# KiCad board Sentinel 65X - Prototype 4.kicad_pcb (continued)
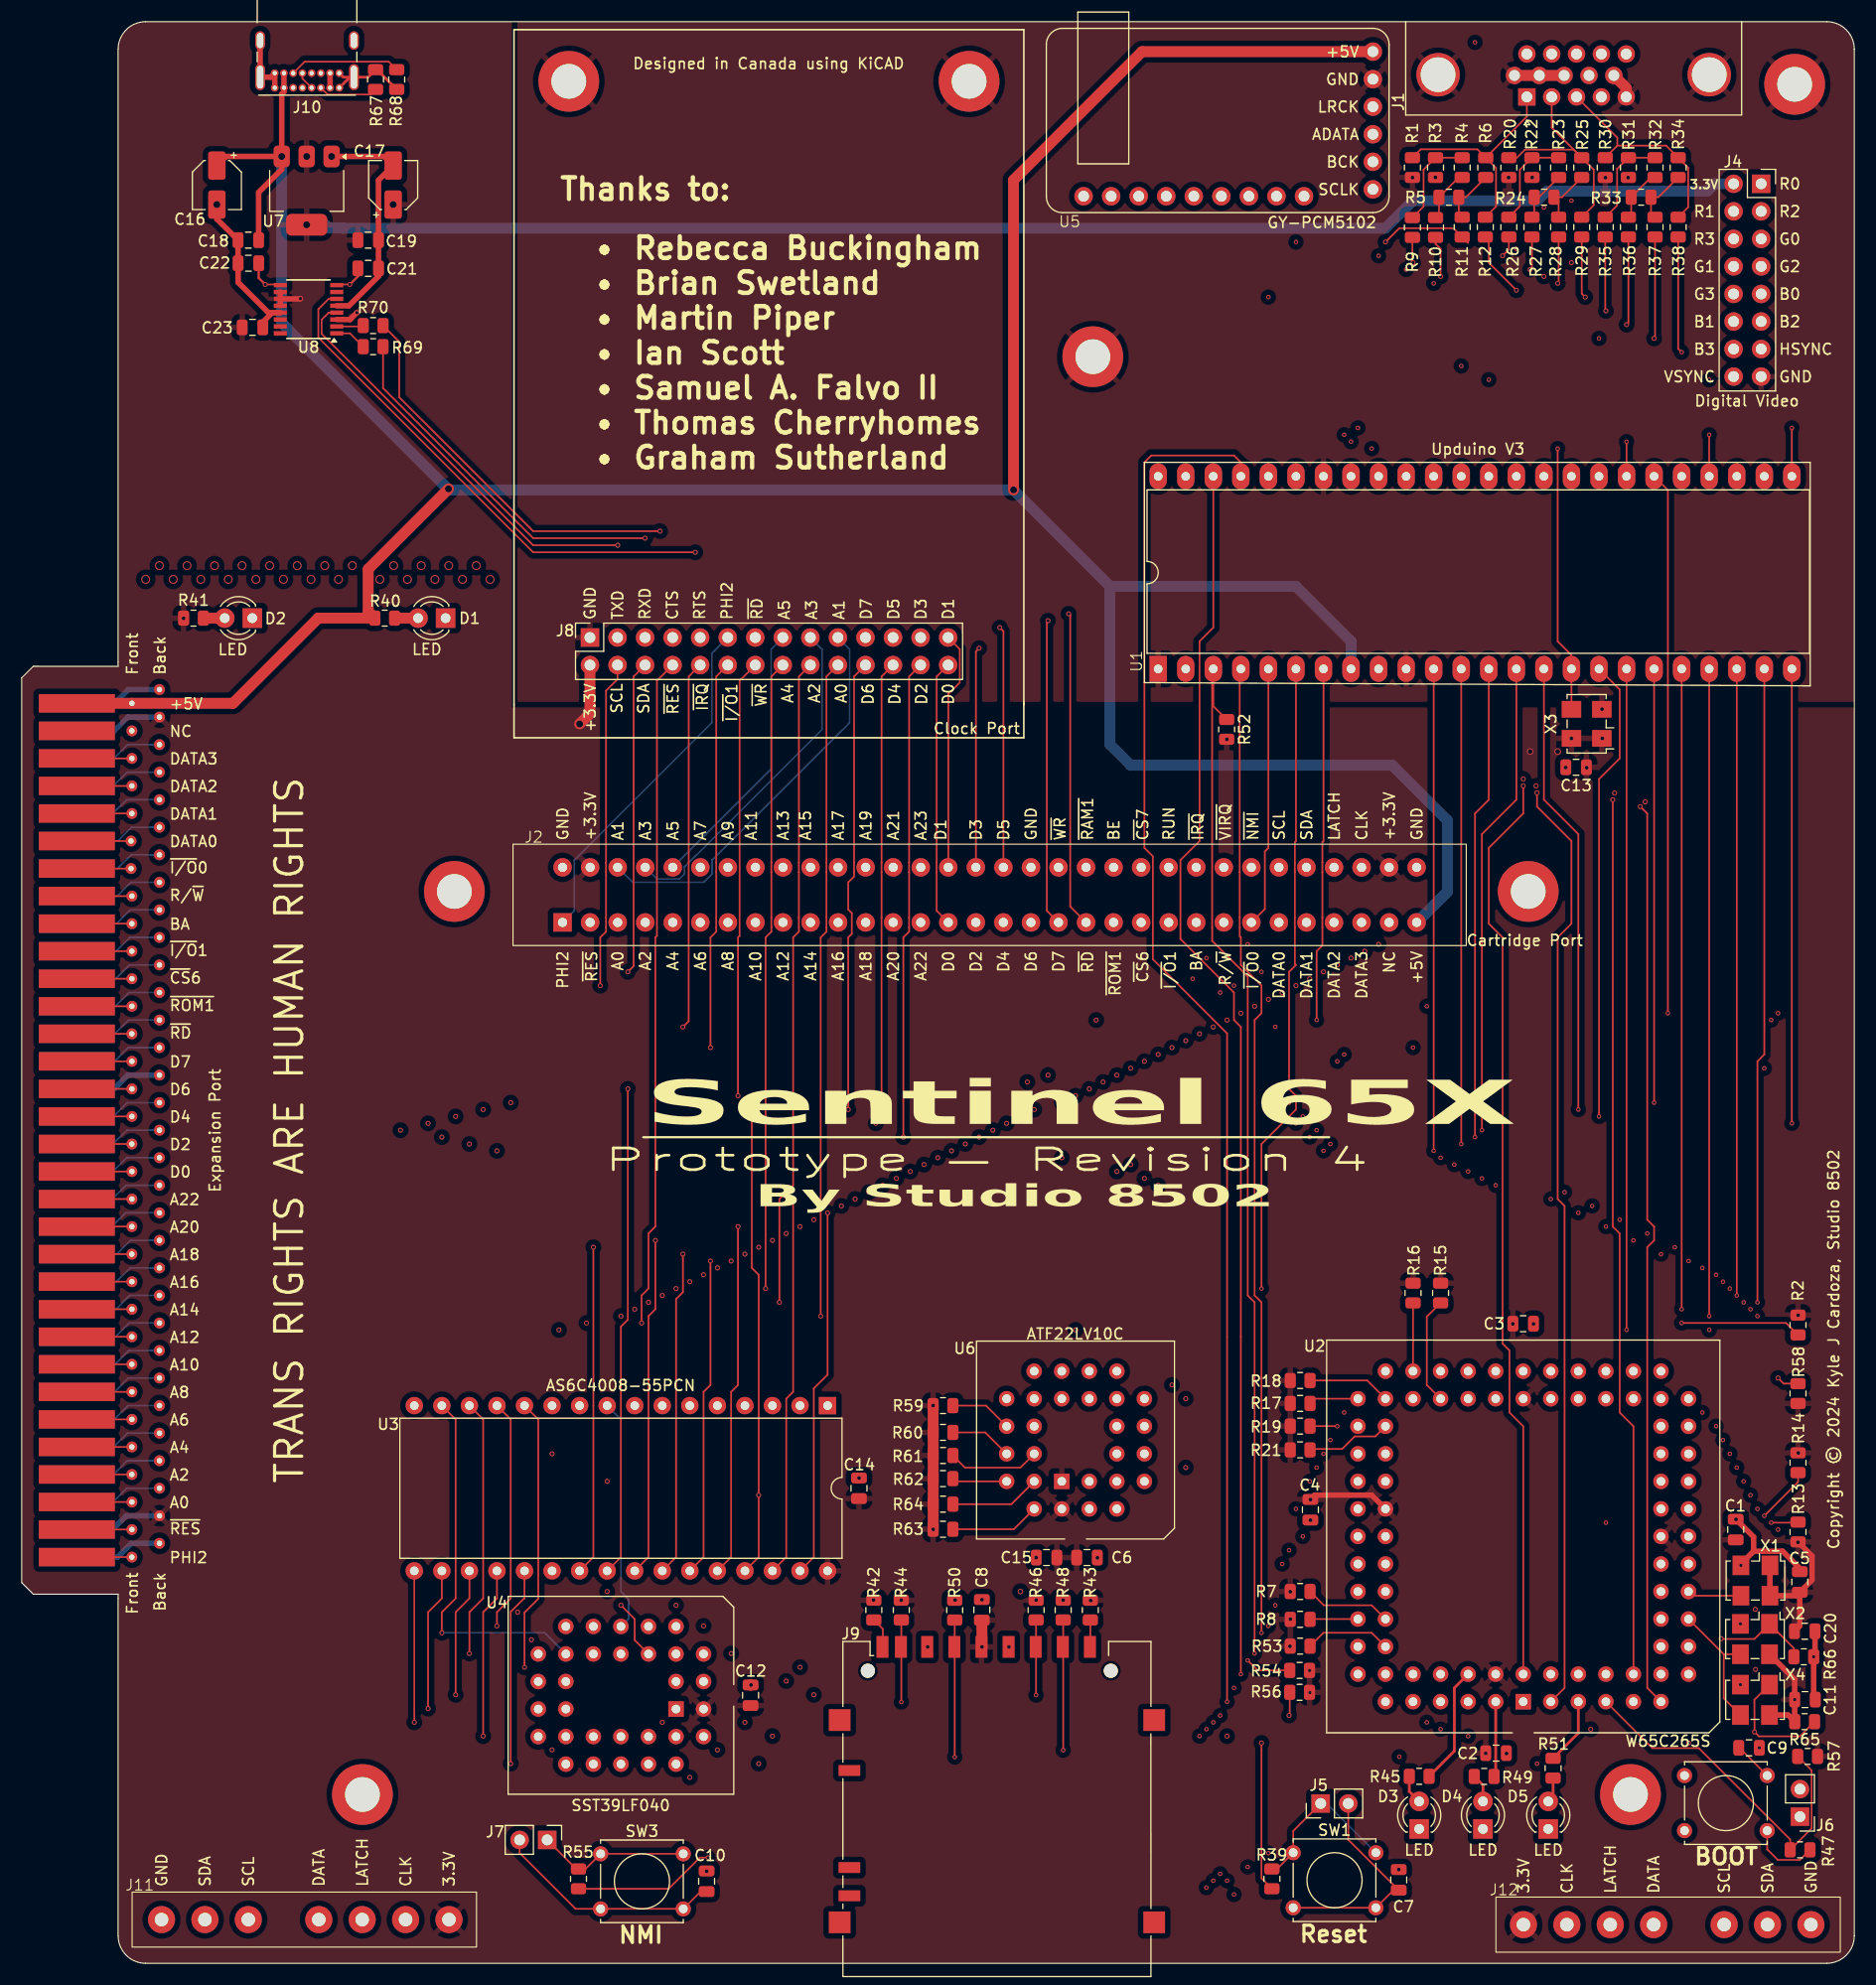
[diagram p0: board, top side]
## Routing (per net, layer and track width the routed paths; a pad name or vN(x,y) marks a point on that pad's centre or on a via; arc(x,y) is an arc through that point) (continued)
/G3: length 65.2
  F.Cu (SMD) w0.15: R29.2 143.82,153.99 v2(144.14,153.67)
  In2.Cu (N-S) w0.15: U1.44 v5(114.93,153.67)
  In3.Cu. (E-W) w0.15: v5(114.93,153.67) 156.21,153.67 156.5,153.96 J4.10
/GREEN: length 20.5
  F.Cu (SMD) w0.15: R25.1 144.93,165.42 144.93,162.14 R29.1 ; R25.1 143.09,167.27 138.59,167.27 137.85,166.53 R20.1 ; R25.1 141.05,169.3 J1.2
/HSYNC: length 78.7
  In2.Cu (N-S) w0.15: U1.37 v5(132.71,147.32) 132.71,171.45 133.99,172.72 v5(133.99,177.17)
  In3.Cu. (E-W) w0.15: J1.13 142.27,177.17 v5(133.99,177.17) ; J4.13 159.08,147.6 156.49,147.6 156.21,147.32 v5(132.71,147.32)
/I2C_SCL: length 404
  F.Cu (SMD) w0.15: v2(53.34,90.17) 53.34,94.62 53.87,95.15 53.87,95.55 53.87,95.55 53.87,96.44 53.87,96.45 53.87,100.63 53.87,100.63 53.87,101.52 53.87,101.53 53.87,117.37 54.93,118.43 J8.4 ; v2(116.84,22.86) 116.9,22.92 R56.1
  In2.Cu (N-S) w0.15: v2(117.48,90.17) 117.48,94.62 116.98,95.11 116.98,100 115.91,101.08 ; v5(111.76,90.17) 111.76,85.72 110.49,84.46 v5(110.49,22.86) v5(110.49,8.25)
  In3.Cu. (E-W) w0.15: v5(110.49,22.86) 127,22.86 U2.77 ; v2(117.48,90.17) v5(111.76,90.17) 27.3,90.17 J3.a27 ; J11.5 25.11,8.25 62.23,8.25 62.57,7.92 63.8,7.92 64.14,8.25 125.73,8.25 126.07,7.92 127.93,7.92 128.27,8.25 152.26,8.25 J12.5
  B.Cu (MISC) w0.15: J3.a27 10.14,104.78 8.87,103.51 J3.a27
/I2C_SDA: length 410.9
  F.Cu (SMD) w0.15: J8.6 56.41,118.68 56.41,101.53 56.41,101.52 56.41,91.97 v2(55.88,91.44) ; R54.1 113.96,27.01 v5(113.03,27.94)
  In2.Cu (N-S) w0.15: v5(113.03,8.89) v5(113.03,27.94) 113.03,84.46 114.3,85.72 v5(114.3,91.44) ; 118.45,101.08 119.91,99.61 119.91,96.45 119.91,96.44 119.91,95.55 119.91,95.55 119.91,94.72 120.02,94.62 v2(120.02,91.44)
  In3.Cu. (E-W) w0.15: J3.a28 28.58,91.44 v5(114.3,91.44) v2(120.02,91.44) ; J12.6 155.63,8.89 128.27,8.89 127.64,9.53 126.36,9.53 125.73,8.89 64.14,8.89 63.82,9.21 62.62,9.21 62.31,8.89 21.75,8.89 J11.6 ; U2.76 124.46,27.94 v5(113.03,27.94)
  B.Cu (MISC) w0.15: J3.a28 9.68,107.32 8.41,106.05 J3.a28
/LRCK: length 68.8
  F.Cu (SMD) w0.15: U1.28 v5(155.57,140.97)
  In2.Cu (N-S) w0.15: U5.4 121.92,168.58 v5(121.92,140.97)
  In3.Cu. (E-W) w0.15: v5(155.57,140.97) v5(121.92,140.97)
/PHI2: length 332.9
  F.Cu (SMD) w0.15: U1.18 v5(147.95,58.42) ; J3.b1 J3.b1
  In2.Cu (N-S) w0.15: U6.2 97.15,43.18 v2(97.15,58.42) ; v2(49.53,58.42) 49.53,94.62 49.87,94.95 49.87,96 ; v5(155.57,58.42) 155.57,38.74 U2.20
  In3.Cu. (E-W) w0.15: v5(155.57,58.42) 140.97,58.42 139.7,57.15 136.52,57.15 135.25,58.42 31.11,58.42 14.61,41.91 14.61,38.74 13.33,37.47 J3.b1 10.16,37.56
  B.Cu (MISC) w0.15: 49.87,96 50.94,97.07 50.94,101.74 63.62,114.42 63.62,120.81 J8.11
/R0: length 60.5
  F.Cu (SMD) w0.15: R9.2 128.21,156.9 v2(128.27,156.85)
  In2.Cu (N-S) w0.15: U1.33 v5(142.88,162.56)
  In3.Cu. (E-W) w0.15: v2(128.27,156.85) v2(142.88,156.85) ; J4.1 159.12,162.88 156.53,162.88 156.21,162.56 v5(142.88,162.56)
/R1: length 56
  F.Cu (SMD) w0.15: R10.2 130.34,158.58 130.81,158.12 v2(130.81,155.57)
  In2.Cu (N-S) w0.15: U1.34 v5(140.33,161.93)
  In3.Cu. (E-W) w0.15: v5(140.33,161.93) 140.97,161.29 156.21,161.29 156.5,161.58 J4.4 ; v2(130.81,155.57) v2(140.33,155.57)
/R2: length 74.4
  F.Cu (SMD) w0.15: v2(125.73,158.75) 127,160.02 131.99,160.02 R11.2 133.35,158.66
  In2.Cu (N-S) w0.15: U1.43 v5(117.48,158.75)
  In3.Cu. (E-W) w0.15: v5(117.48,158.75) 136.52,158.75 138.1,160.33 159.11,160.33 J4.3
/R3: length 47.5
  F.Cu (SMD) w0.15: v2(137.8,154.31) 135.25,156.85 135.25,158.89 R12.2
  In2.Cu (N-S) w0.15: v5(137.8,158.12) U1.35
  In3.Cu. (E-W) w0.15: J4.6 156.5,159.04 156.21,158.75 138.43,158.75 v5(137.8,158.12)
/R/~{W}: length 318.8
  F.Cu (SMD) w0.15: v5(119.38,87) 119.38,93.34 119.91,93.88 119.91,95.55 119.91,95.55 119.91,96.44 119.91,96.45 119.91,100.63 119.91,100.63 119.91,101.52 119.91,101.53 119.91,103.4 120.02,103.51 U1.7 ; v5(161.29,40.64) 163.71,40.64 R13.1 ; J3.b25 J3.b25
  In2.Cu (N-S) w0.15: v2(111.12,87) 111.12,94.62 110.83,94.91 110.83,96 ; U6.3 99.7,45.72 99.7,79.38 99.06,80.01 v2(99.06,87) ; 159.81,27.11 v2(159.85,27.11) 159.85,27.15 161.29,28.59 v5(161.29,40.64) v5(161.29,87)
  In3.Cu. (E-W) w0.15: J3.b25 12.7,98.43 24.13,87 v5(119.38,87) v5(161.29,87) ; U2.13 152.07,25.73 155.95,25.73 157,26.78 159.53,26.78 v2(159.85,27.11)
/RED: length 20.9
  F.Cu (SMD) w0.15: R1.1 128.98,167.3 134.2,167.3 R6.1 ; R6.1 138.76,170.32 J1.1 ; R6.1 135.92,165.58 135.92,162.02 R12.1
/RTS: length 225.5
  F.Cu (SMD) w0.15: v2(62.1,130.13) 47.15,130.13 27.35,149.94 27.35,152.56 28.29,153.51 U8.6 ; v2(138.43,108.59) 138.43,106.05 135.25,102.87 135.25,95.89 136.52,94.62 136.52,57.15 137.16,56.52 137.16,50.8 138.43,49.53 U2.2
  In3.Cu. (E-W) w0.15: v2(138.43,108.59) 69.85,108.59 64.01,114.42 64.01,120.81 J8.9 62.55,129.69 v2(62.1,130.13)
/RUN: length 123.3
  In2.Cu (N-S) w0.15: 105.75,101.08 106.82,100 106.82,95.11 107.32,94.62 v2(107.32,85.09)
  In3.Cu. (E-W) w0.15: J3.a23 22.22,85.09 v2(107.32,85.09)
  B.Cu (MISC) w0.15: J3.a23 8.71,93.34 9.98,94.62 J3.a23
/RXD: length 222.7
  F.Cu (SMD) w0.15: R69.2 33.31,145.27 47.15,131.44 v2(57.47,131.44) ; U2.10 148.59,49.53 147.32,50.8 147.32,67.31 146.69,67.94 v2(146.69,107.32)
  In3.Cu. (E-W) w0.15: v2(57.47,131.44) J8.5 58.93,120.81 58.93,115.69 67.31,107.32 v2(146.69,107.32)
/SNES_CLK: length 350.7
  In2.Cu (N-S) w0.15: v2(125.09,93.98) 125.09,95.25 124.6,95.74 124.6,100 123.53,101.08 ; v5(111.76,6.35) v5(111.76,25.4) 111.76,84.46 113.03,85.72 v5(113.03,93.98)
  In3.Cu. (E-W) w0.15: U2.78 127,25.4 120.02,25.4 119.54,25.88 116.68,25.88 116.2,25.4 v5(111.76,25.4) ; J3.a30 31.11,93.98 v5(113.03,93.98) v2(125.09,93.98) ; J12.2 139.67,6.35 37.71,6.35 J11.2
  B.Cu (MISC) w0.15: J3.a30 9.76,112.4 8.49,111.12 J3.a30
/SNES_DATA0: length 314.3
  F.Cu (SMD) w0.15: J3.b27 J3.b27
  In2.Cu (N-S) w0.15: U2.80 129.54,25.4 v5(129.54,22.22) ; v5(110.49,89.53) 110.49,85.69 109.89,85.09 109.86,85.09 v5(109.86,22.22) v5(109.86,7.62) ; v2(116.2,89.53) 116.2,94.62 115.91,94.91 115.91,96
  In3.Cu. (E-W) w0.15: J3.b27 12.7,103.51 26.67,89.53 v5(110.49,89.53) v2(116.2,89.53) ; v5(129.54,22.22) v5(109.86,22.22) ; v5(109.86,7.62) 30.98,7.62 J11.4
/SNES_DATA1: length 277.7
  F.Cu (SMD) w0.15: J3.b28 J3.b28
  In2.Cu (N-S) w0.15: v5(111.12,7.62) v2(111.12,20.96) ; v5(107.95,90.81) 107.95,85.09 108.58,84.46 v5(108.58,20.96) ; U2.81 v5(133.35,20.96) ; 118.45,96 118.45,94.91 118.74,94.62 v2(118.74,90.81)
  In3.Cu. (E-W) w0.15: J3.b28 12.7,106.05 27.94,90.81 v5(107.95,90.81) v2(118.74,90.81) ; v5(108.58,20.96) v2(111.12,20.96) v5(133.35,20.96) ; v5(111.12,7.62) 146.4,7.62 J12.4
/SNES_DATA2: length 127.1
  F.Cu (SMD) w0.15: J3.b29 J3.b29
  In2.Cu (N-S) w0.15: 120.99,96 120.99,94.91 121.29,94.62 v2(121.29,92.08)
  In3.Cu. (E-W) w0.15: v2(121.29,92.08) 29.21,92.08 12.7,108.59 J3.b29
/SNES_DATA3: length 128.9
  F.Cu (SMD) w0.15: J3.b30 J3.b30
  In2.Cu (N-S) w0.15: 123.53,96 123.83,95.7 v2(123.83,93.34)
  In3.Cu. (E-W) w0.15: J3.b30 12.7,111.12 30.48,93.34 v2(123.83,93.34)
/SNES_LATCH: length 361.7
  In2.Cu (N-S) w0.15: v5(109.22,6.99) v5(109.22,21.59) v5(109.22,92.71) ; U2.79 v5(130.81,21.59) ; 120.99,101.08 122.06,100 122.06,95.74 122.55,95.25 v2(122.55,92.71)
  In3.Cu. (E-W) w0.15: v5(130.81,21.59) v5(109.22,21.59) ; J12.3 143.03,6.99 34.34,6.99 J11.3 ; v2(122.55,92.71) v5(109.22,92.71) 29.84,92.71 J3.a29
  B.Cu (MISC) w0.15: J3.a29 9.72,109.86 8.45,108.59 J3.a29
/SYSCLK: length 65.7
  F.Cu (SMD) w0.15: v5(141.61,139.7) 141.61,121.92 142.88,120.65 U1.16 X3.3
  In2.Cu (N-S) w0.15: U5.1 124.46,163.5 v5(124.46,139.7)
  In3.Cu. (E-W) w0.15: v5(141.61,139.7) v5(124.46,139.7)
/TXD: length 234.1
  F.Cu (SMD) w0.15: v2(149.23,106.68) 149.86,106.05 149.86,68.58 150.5,67.94 150.5,66.68 149.86,66.04 149.86,25.4 U2.11 ; v2(54.95,130.79) 47.15,130.79 27.65,150.29 27.65,151.59 28.3,152.24 U8.4
  In3.Cu. (E-W) w0.15: v2(149.23,106.68) 66.04,106.68 56,116.72 56,121.2 J8.3 54.93,130.76 v2(54.95,130.79)
/VSYNC: length 69
  In2.Cu (N-S) w0.15: J1.14 146.69,177.14 146.69,177.17 148.59,177.17 155.57,170.18 v5(155.57,146.05) ; U1.36 v5(135.25,146.05)
  In3.Cu. (E-W) w0.15: J4.16 156.21,146.34 155.92,146.05 v5(155.57,146.05) v5(135.25,146.05)
/~{BOOT_SEL}: length 33.2
  F.Cu (SMD) w0.15: R57.1 165.02,17.8 165.02,12.44 R47.2 163.04,11.43 154.62,19.84 150.33,19.84 U2.7
/~{CS}4: length 33.7
  F.Cu (SMD) w0.15: R17.1 119.21,52.07 U2.54
  In2.Cu (N-S) w0.15: v2(107.32,52.07) v2(107.32,45.72)
  In3.Cu. (E-W) w0.15: U6.6 102.23,45.72 v2(107.32,45.72) ; U2.54 v2(107.32,52.07)
/~{CS}5: length 35.3
  F.Cu (SMD) w0.15: R18.1 124.05,53.75 U2.55
  In2.Cu (N-S) w0.15: v2(106.05,53.34) 106.05,49.53 U6.7
  In3.Cu. (E-W) w0.15: U2.55 124.46,53.34 v2(106.05,53.34)
/~{CS}6: length 188.2
  F.Cu (SMD) w0.15: R19.1 121.27,49.54 v5(121.29,49.53) ; J3.b22 J3.b22
  In2.Cu (N-S) w0.15: v2(103.51,83.19) 103.51,94.62 103.21,94.91 103.21,96 ; v5(121.29,49.53) v5(121.29,83.19)
  In3.Cu. (E-W) w0.15: U2.56 v5(121.29,49.53) U6.9 ; J3.b22 12.7,90.81 20.32,83.19 v2(103.51,83.19) v5(121.29,83.19)
/~{CS}7: length 183.9
  F.Cu (SMD) w0.15: R21.1 118.86,47.44 121.73,47.44 122.89,48.59 124.79,48.59 U2.57
  In2.Cu (N-S) w0.15: 103.21,101.08 104.67,99.61 104.67,96.45 104.67,96.44 104.67,95.55 104.67,95.55 104.67,94.72 104.77,94.62 v2(104.77,83.82) ; v5(121.92,50.8) v5(121.92,83.82)
  In3.Cu. (E-W) w0.15: v5(121.92,83.82) v2(104.77,83.82) 20.95,83.82 J3.a22 ; U2.57 124.46,50.8 v5(121.92,50.8)
  B.Cu (MISC) w0.15: J3.a22 8.67,90.81 9.94,92.08 J3.a22
/~{FPGA_RESET}: length 107.4
  F.Cu (SMD) w0.15: R52.1 109.86,115.95 U1.3 109.75,119.28 109.75,95.55 109.75,95.55 109.75,94.29 113.03,91.02 113.03,61.59 113.67,60.96 v5(113.67,28.58)
  In3.Cu. (E-W) w0.15: U2.72 118.74,29.21 118.11,28.58 v5(113.67,28.58)
/~{FPGA_SS}: length 95.7
  In2.Cu (N-S) w0.15: U2.53 125.73,92.08 127.53,93.88 127.53,95.55 127.53,95.55 127.53,101.52 127.53,101.53 127.53,113.13 126.36,114.3 126.36,120.65 125.73,121.29 120.63,121.29 U1.48
/~{I/O}0: length 208.2
  F.Cu (SMD) w0.15: R15.1 129.54,59.64 129.54,53.34 U2.50 ; 113.37,96 114.61,97.24 114.61,102.54 114.93,102.87 U1.5 ; J3.b26 J3.b26
  In2.Cu (N-S) w0.15: U2.50 129.54,53.34 v5(129.54,88.27) ; v2(113.67,88.27) 113.67,94.62 113.37,94.91 113.37,96
  In3.Cu. (E-W) w0.15: v5(129.54,88.27) v2(113.67,88.27) 25.4,88.27 12.7,100.97 J3.b26
/~{I/O}1: length 210.6
  F.Cu (SMD) w0.15: J8.12 64.03,118.68 64.03,101.53 64.03,101.52 64.03,100.63 64.03,100.63 64.03,96.45 64.03,96.44 64.03,95.55 64.03,95.55 64.03,95.15 63.5,94.62 v2(63.5,84.46) ; R16.1 U2.51 ; J3.b23 J3.b23
  In2.Cu (N-S) w0.15: 105.75,96 106.05,95.7 v2(106.05,84.46) ; U2.51 v5(128.27,84.46)
  In3.Cu. (E-W) w0.15: v5(128.27,84.46) v2(106.05,84.46) 21.59,84.46 12.7,93.34 J3.b23
/~{IRQ}: length 236.9
  F.Cu (SMD) w0.15: R7.2 120.05,33.02 124.46,33.02 U2.71 ; v2(60.96,86.36) 61.49,86.89 61.49,101.52 61.49,101.53 61.49,118.68 J8.10
  In2.Cu (N-S) w0.15: v2(109.86,86.36) 109.86,94.62 109.36,95.11 109.36,100 108.29,101.08 ; v5(115.57,33.02) v5(115.57,86.36)
  In3.Cu. (E-W) w0.15: U2.71 124.46,33.02 v5(115.57,33.02) ; J3.a24 23.5,86.36 v2(109.86,86.36) v5(115.57,86.36)
  B.Cu (MISC) w0.15: J3.a24 10.02,97.16 8.75,95.89 J3.a24
/~{NMI}: length 285.6
  F.Cu (SMD) w0.15: v5(63.27,9.75) 62.52,9.75 59.64,6.88 R55.2 ; R8.2 118.8,31.75 U2.70
  In2.Cu (N-S) w0.15: 113.37,101.08 114.44,100 114.44,95.11 114.93,94.62 v2(114.93,88.9) v5(114.93,31.12) v5(114.93,10.16)
  In3.Cu. (E-W) w0.15: J3.a26 26.03,88.9 v2(114.93,88.9) ; U2.70 120.02,31.75 119.38,31.12 v5(114.93,31.12) ; v5(63.27,9.75) 63.91,9.75 64.14,9.53 114.3,9.53 v5(114.93,10.16)
  B.Cu (MISC) w0.15: J3.a26 10.1,102.24 8.83,100.97 J3.a26
/~{RAM}0: length 58.5
  F.Cu (SMD) w0.15: R60.1 88.83,48.96 U6.23
  In2.Cu (N-S) w0.15: v2(48.89,46.99) U3.22
  In3.Cu. (E-W) w0.15: U6.23 v2(48.89,46.99)
/~{RAM}1: length 156.2
  F.Cu (SMD) w0.15: U6.21 88.9,51.44 R59.1
  In2.Cu (N-S) w0.15: v2(92.71,81.28) 92.71,77.47 92.08,76.84 92.08,50.8 U6.21 ; 98.13,101.08 99.59,99.61 99.59,96.45 99.59,96.44 99.59,95.55 99.59,95.55 99.59,94.72 99.7,94.62 v2(99.7,81.28)
  In3.Cu. (E-W) w0.15: J3.a20 18.41,81.28 v2(99.7,81.28)
  B.Cu (MISC) w0.15: J3.a20 9.86,87 8.59,85.72 J3.a20
/~{RD}: length 285.4
  F.Cu (SMD) w0.15: U3.24 55.24,37.47 55.24,58.72 55.88,59.35 v2(55.88,80.65) ; U6.26 91.47,40.03 R63.1 ; v2(96.52,124.46) 96.66,124.32 96.66,97.46 98.13,96 ; J3.b20 J3.b20
  In2.Cu (N-S) w0.15: v2(98.42,80.65) 98.42,95.7 98.13,96 ; U3.24 v2(53.98,34.29) 53.98,22.18 U4.24 ; v1(92.08,34.29) 92.71,34.93 92.71,38.1 93.34,38.74 U6.26
  In3.Cu. (E-W) w0.15: J3.b20 12.7,85.72 17.78,80.65 v2(98.42,80.65) ; v1(92.08,34.29) v2(53.98,34.29) ; J8.13 69.82,124.46 v2(96.52,124.46)
/~{RES}: length 361
  F.Cu (SMD) w0.15: R2.2 162.66,59.06 v5(153.04,59.06) ; J8.8 58.56,118.29 58.56,94.76 58.42,94.62 58.42,67.94 57.79,67.31 57.79,62.23 57.15,61.59 v2(57.15,59.06) ; R39.2 114.3,7.84 v2(114.3,20.32) ; J3.b2 J3.b2
  In2.Cu (N-S) w0.15: v2(153.67,20.32) U2.12 152.4,27.94 152.4,52.58 153.04,53.22 v5(153.04,59.06) ; v2(52.07,59.06) 52.07,95.66 52.41,96
  In3.Cu. (E-W) w0.15: v2(114.3,20.32) v2(153.67,20.32) ; v5(153.04,59.06) 140.97,59.06 139.7,57.78 136.52,57.78 135.25,59.06 30.48,59.06 13.97,42.55 13.97,41.28 12.7,40 J3.b2 10.16,40.46
/~{ROM}0: length 67.5
  F.Cu (SMD) w0.15: R62.1 86.1,44.45 U6.25
  In2.Cu (N-S) w0.15: U4.22 51.43,22.18 51.43,33.66 52.7,34.93 52.7,39.37 53.98,40.64 v2(53.98,44.45)
  In3.Cu. (E-W) w0.15: U6.25 78.74,44.45 78.11,43.81 75.57,43.81 74.93,44.45 v2(53.98,44.45)
/~{ROM}1: length 156.7
  F.Cu (SMD) w0.15: R61.1 86.96,45.72 92.08,45.72 U6.24 ; J3.b21 J3.b21
  In2.Cu (N-S) w0.15: v2(100.96,81.91) 100.96,95.7 100.67,96 ; v2(94.61,81.91) 94.61,48.26 U6.24
  In3.Cu. (E-W) w0.15: J3.b21 12.7,88.27 19.05,81.91 v2(100.96,81.91)
/~{SD_SS}: length 65
  F.Cu (SMD) w0.15: R48.1 v5(96.02,19.65)
  In2.Cu (N-S) w0.15: U2.4 139.7,25.4 v5(139.7,18.41)
  In3.Cu. (E-W) w0.15: v5(96.02,19.65) 96.05,19.69 132.71,19.69 133.99,18.41 v5(139.7,18.41)
/~{VIRQ}: length 306.3
  F.Cu (SMD) w0.15: R58.1 162.44,53.46 v2(161.93,53.97) ; U1.30 151.76,135.87 v5(151.76,87.63)
  In2.Cu (N-S) w0.15: U2.8 v5(146.05,40.64) ; v2(112.39,87.63) 112.39,94.62 111.9,95.11 111.9,100 110.83,101.08 ; v5(161.93,40) v5(161.93,87.63)
  In3.Cu. (E-W) w0.15: v5(161.93,87.63) v2(112.39,87.63) 24.77,87.63 J3.a25 ; v5(146.05,40.64) 156.84,40.64 157.48,40 v5(161.93,40)
  B.Cu (MISC) w0.15: J3.a25 10.06,99.69 8.79,98.43 J3.a25
/~{WR}: length 256.3
  F.Cu (SMD) w0.15: J8.14 66.18,118.29 66.18,94.76 66.04,94.62 v2(66.04,80.01) ; v2(67.31,80.01) 67.31,64.14 67.95,63.5 67.95,37.47 U3.29 ; R64.1 91.24,42.35 U6.27
  In2.Cu (N-S) w0.15: U3.29 v2(66.67,22.22) ; 95.59,101.08 96.66,100 96.66,95.11 97.15,94.62 v2(97.15,80.01)
  In3.Cu. (E-W) w0.15: U4.31 61.64,22.22 v2(66.67,22.22) ; v2(67.95,43.18) 92.08,43.18 U6.27 ; v2(97.15,80.01) 17.14,80.01 J3.a19
  B.Cu (MISC) w0.15: J3.a19 8.55,83.19 9.82,84.46 J3.a19
Net-(D1-A): length 2.2
  F.Cu (SMD) w1: D1.2 R40.2
Net-(D2-A): length 2
  F.Cu (SMD) w1: D2.2 18.72,124.06 R41.2
Net-(D3-A): length 2.7
  F.Cu (SMD) w0.25: D3.2 127.93,15.84 R45.2
Net-(D4-A): length 2.6
  F.Cu (SMD) w0.25: D4.2 134.72,16.43 R49.2
Net-(D5-A): length 2.3
  F.Cu (SMD) w0.25: D5.2 141.18,15.38 R51.2
Net-(J5-Pin_1): length 15.1
  F.Cu (SMD) w0.15: R39.1 115.73,8.7 SW1.1 117.22,12.21 J5.1
  B.Cu (MISC) w0.15: J5.1 120.3,14.74 SW1.1
Net-(J5-Pin_2): length 20.3
  F.Cu (SMD) w0.15: J5.2 122.3,11.4 C7.1 126.47,6.75 SW1.2 SW1.2
Net-(J6-Pin_1): length 17.6
  F.Cu (SMD) w0.15: R47.1 163.94,9.54 161.9,9.54 160.92,10.51 SW2.1
  In3.Cu. (E-W) w0.15: J6.1 162.66,12.24 SW2.1 SW2.1
Net-(J6-Pin_2): length 14.9
  F.Cu (SMD) w0.15: C9.1 158.36,19.87 SW2.2 160.85,17.32
  In3.Cu. (E-W) w0.15: SW2.2 SW2.2 162.17,16.06 J6.2
Net-(J7-Pin_1): length 14.2
  F.Cu (SMD) w0.15: J7.1 51.13,8.7 R55.1 51.97,8.7 SW3.1 SW3.1
Net-(J7-Pin_2): length 21.2
  F.Cu (SMD) w0.15: J7.2 45.91,10.18 51.07,5.02 SW3.2 SW3.2 62.59,6.62 C10.1
Net-(J9-DAT1): length 2.8
  F.Cu (SMD) w0.15: 79.39,29.2 79.39,30.83 R42.1
Net-(J9-DAT2): length 2.5
  F.Cu (SMD) w0.15: R43.1 98.52,29.2
Net-(J10-CC1): length 5.5
  F.Cu (SMD) w0.15: J10.A5 28.2,172.35 32.16,172.35 R67.1
Net-(J10-CC2): length 10.3
  F.Cu (SMD) w0.15: J10.B5 26.09,175.38 33.84,175.38 R68.1
Net-(R3-Pad2): length 8.9
  F.Cu (SMD) w0.15: R4.2 R3.2 129.24,165.43 129.24,162.03 R9.1
Net-(R10-Pad1): length 4.9
  F.Cu (SMD) w0.15: R4.1 132.48,164.7 R5.2 130.66,161.32 R10.1
Net-(R11-Pad1): length 5.2
  F.Cu (SMD) w0.15: R6.2 133.15,162.88 R5.1 132.49,161.35 R11.1
Net-(R22-Pad2): length 8.8
  F.Cu (SMD) w0.15: R23.2 R22.2 138.12,165.42 138.12,162.05 R26.1
Net-(R23-Pad1): length 4.9
  F.Cu (SMD) w0.15: R27.1 139.44,161.24 R24.2 139.87,162.89 R23.1
Net-(R24-Pad1): length 5.3
  F.Cu (SMD) w0.15: R28.1 141.69,162.46 R24.1 142,162.89 R25.2
Net-(R31-Pad2): length 8.8
  F.Cu (SMD) w0.15: R35.1 147.08,162.13 147.08,165.49 R31.2 R32.2
Net-(R32-Pad1): length 4.9
  F.Cu (SMD) w0.15: R32.1 150.2,164.7 R33.2 148.38,161.3 R36.1
Net-(R33-Pad1): length 5.3
  F.Cu (SMD) w0.15: R34.2 150.89,162.89 R33.1 150.21,161.41 R37.1
Net-(U8-TXD): length 3
  F.Cu (SMD) w0.15: U8.1 30.26,150.33 R69.1
Net-(U8-~{RTS}): length 2.5
  F.Cu (SMD) w0.15: U8.2 31.41,150.97 R70.1

## Copper pours and planes (outline as drawn; the poured copper is in the pictures)
+3.3V on F.Cu (SMD), B.Cu (MISC), In2.Cu (N-S), In3.Cu. (E-W): 45.2,115.84 169.7,115.84 169.7,-0.66 -0.3,-0.66 -0.3,179.84 45.2,179.84
GND on F.Cu (SMD), B.Cu (MISC), In2.Cu (N-S), In3.Cu. (E-W): 45.7,179.84 45.7,116.34 169.7,116.34 169.7,179.84
GND on In1.Cu (GND), In4.Cu (GND): 0,179.71 0,-0.63 170.18,-0.63 170.18,179.71

## Text on the board
B.Silkscreen: A9 | A7 | A5 | A3 | A1 | BE | D5 | D3 | D1 | ~{WR} | ~{IRQ} | ~{NMI} | SCL | A23 | A21 | A19 | A17 | A15 | A13 | A11 | CLK | SDA | ~{CS}7 | GND | RUN | ~{VIRQ} | ~{RAM1} | +3.3V | LATCH | Front | Back | JLCJLCJLCJLC
F.Silkscreen: 3.3V | +5V | NC | DATA3 | DATA2 | DATA1 | DATA0 | ~{I/O}0 | R/~{W} | BA | ~{I/O}1 | ~{CS}6 | ~{ROM1} | ~{RD} | D7 | D6 | D4 | D2 | D0 | A22 | A20 | A18 | A16 | A14 | A12 | A10 | A8 | A6 | A4 | A2 | A0 | ~{RES} | PHI2 | AS6C4008-55PCN | SST39LF040 | Designed in Canada using KiCAD | Clock Port | ATF22LV10C | GY-PCM5102 | ADATA | LRCK | SCLK | GND | BCK | Upduino V3 | Cartridge Port | W65C265S | VSYNC | R1 | R3 | G1 | G3 | B1 | B3 | Digital Video | R0 | R2 | G0 | G2 | B0 | B2 | HSYNC | Front | Back | SDA | Expansion Port | SCL | DATA | LATCH | CLK | +3.3V | TXD | A1 | RXD | A3 | CTS | A5 | RTS | A7 | ~{IRQ} | A9 | A11 | ~{WR} | A13 | A15 | A17 | A19 | A21 | D5 | A23 | D3 | D1 | ~{RAM1} | BE | ~{CS}7 | RUN | ~{VIRQ} | ~{NMI} | Copyright © 2024 Kyle J Cardoza, Studio 8502 | NMI | Reset | BOOT | Thanks to: | • Rebecca Buckingham / • Brian Swetland / • Martin Piper / • Ian Scott / • Samuel A. Falvo II / • Thomas Cherryhomes / • Graham Sutherland | TRANS RIGHTS ARE HUMAN RIGHTS | Prototype — Revision 4 | Sentinel 65X | By Studio 8502
